# Altium PCB Main.PcbDoc
Units mil, origin at the board's own origin, x right, y up, seen from the top; angles counter-clockwise.
Board outline 1037 x 1530 mil, 2 copper layers (Top Layer, Bottom Layer); 27 components, 49 nets, 156 pads, 37 vias.
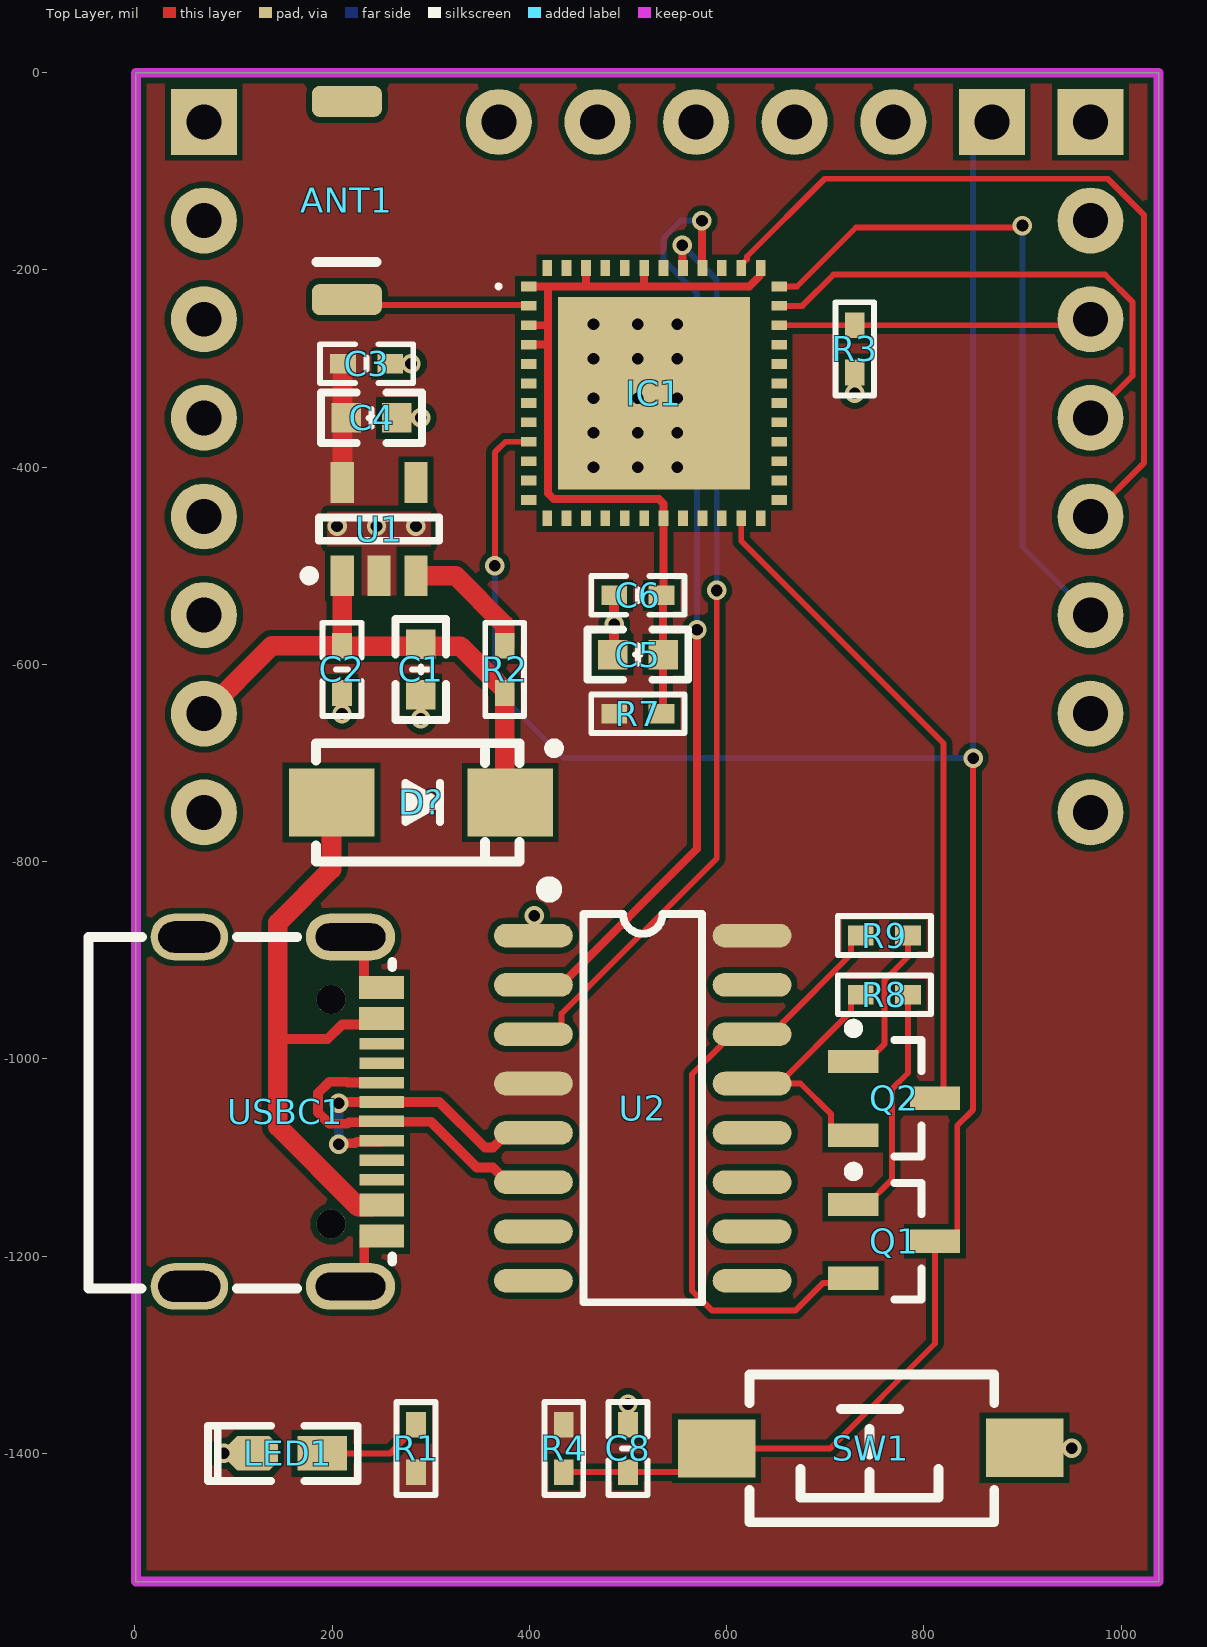
[diagram p0: Top Layer view]
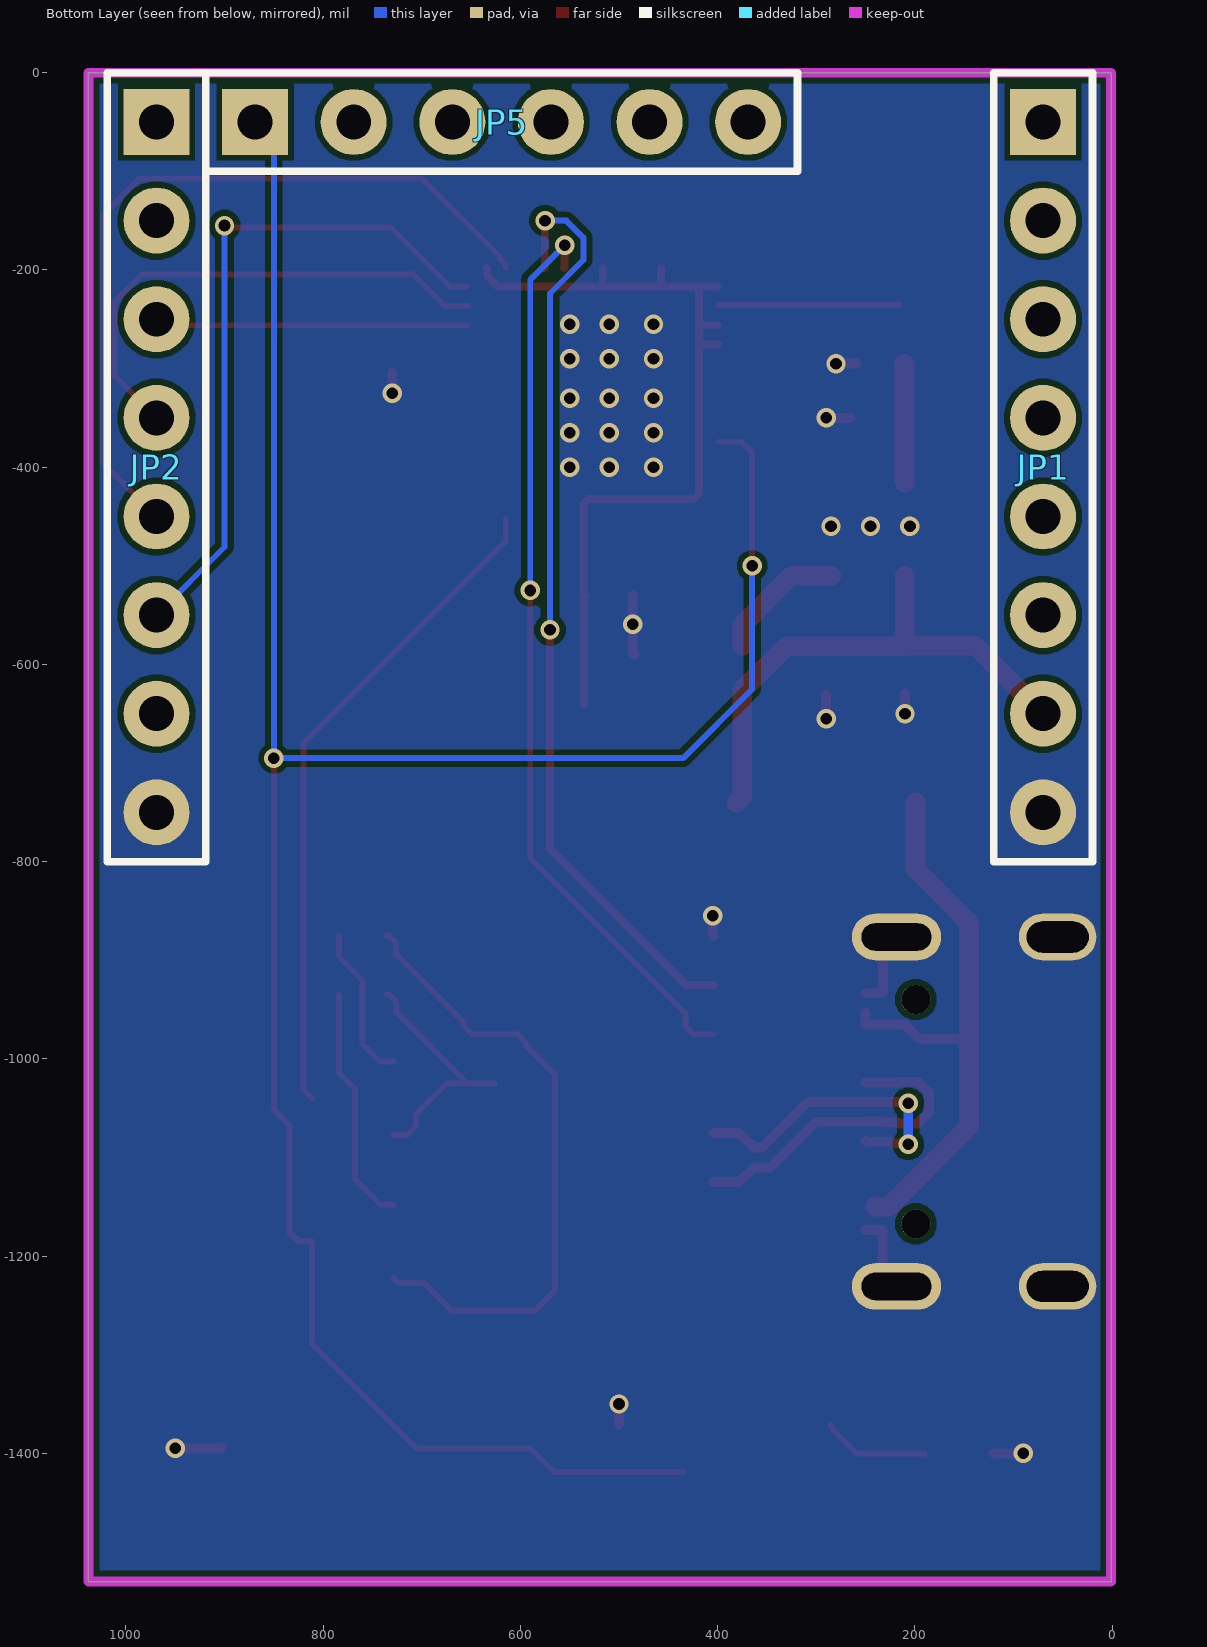
[diagram p1: Bottom Layer view, seen from below]

## Layer stack, top to bottom
Top Solder: solder mask 0.4, Solder Resist, Dk 3.5
Top Layer: signal copper 1.4
Dielectric 1: dielectric 12.6, FR-4, Dk 4.8
Bottom Layer: signal copper 1.4
Bottom Solder: solder mask 0.4, Solder Resist, Dk 3.5

## Board outline
1,-1530 1,0 175,0 1038,0 1038,-1530

## Design rules (kind name [scope] priority, off if disabled: settings)
Clearance [All] p1: gap=6 ignorepadtopadclearanceinfootprint=TRUE
DiffPairsRouting [All] p1: maxlimit=10 minlimit=6 mostfreqgap=10 toplayer_minwidth=6 toplayer_maxwidth=15 toplayer_prefwidth=8 bottomlayer_minwidth=6 bottomlayer_maxwidth=15 bottomlayer_prefwidth=8 maxuncoupledlength=500
PlaneConnect [All] p1: planeconnectstyle=Direct reliefexpansion=20 reliefentries=4 reliefconductorwidth=10 reliefairgap=10
PolygonConnect [All] p1: connectstyle=Direct reliefconductorwidth=10 reliefentries=4 polygonreliefangle="90 Angle" airgapwidth=10
RoomDefinition Main [InComponentClass('Main')] p1: confinementstyle=ConfineIn formatcopy=TRUE lockcomponents=FALSE outline -6094,-4130 -4094,-4130 -4094,-3130 -6094,-3130
RoutingVias [All] p1: holewidth=11.81 width=19.68 viastyle="Through Hole" minholewidth=11.81 minwidth=19.68 maxholewidth=11.81 maxwidth=19.68
SolderMaskExpansion [All] p1: expansion=4 istentingtop=FALSE
Width [All] p1: maxlimit=20 minlimit=6 preferedwidth=6
28 further rules are at their usual default settings.

## Classes and differential pairs
differential pair USB_D: +USB_D_P -USB_D_N

## Components (designator, comment, footprint, x,y, rotation, side; value= is the part's Value field where it differs from the comment)
ANT1 "ANT_CERAMICS" ANT-Rainsun-AN5120 215,-130 r90 top
C1 "10uF" C0603_L 290,-605 r270 top
C2 "100nF" C0402_M 210,-605 r270 top
C3 "100nF" C0402_M 235,-295 r0 top
C4 "10uF" C0603_L 240,-350 r0 top
C5 "10uF" C0603_L 510,-590 r0 top
C6 "100nF" C0402_M 510,-530 r0 top
C8 "100nF" C0402_M 500,-1395 r90 top
D? "SS14" SMA 290,-740 r0 top
IC1 "ESP32-PICO-V3/D4" ESP32PICOV3 526.29,-325 r0 top
JP1 "HDR-1X8" HDR2.54-LI-8P 70,-400 r270 bottom
JP2 "HDR-1X8" HDR2.54-LI-8P 969,-400 r270 bottom
JP5 "HDR-1X6" HDR2.54-LI-6P 619,-50 r180 bottom
LED1 "红色" LED0603_R 155,-1399.74 r180 top
Q1 "SS8050" SOT23-3N 770,-1185 r0 top
Q2 "SS8050" SOT23-3N 770,-1040 r0 top
R1 "330R" R0402_M 285,-1395 r90 top
R2 "100K" R0402_M 375,-605 r90 top
R3 "100K" R0402_M 730,-280 r270 top
R4 "100K" R0402_M 435,-1395 r270 top
R7 "330R" R0402_M 510,-650 r0 top
R8 "10K" R0402_M 760,-935 r180 top
R9 "10K" R0402_M 760,-875 r180 top
SW1 "3x6x5" "SW SMD-3*6*2.5" 745,-1395 r180 top
U1 "RT9080-3.3" SOT-23-5 247.6,-462.76 r90 top
U2 "CH340C" SOIC-16 515,-1050 r0 top
USBC1 "TYPE-C 2.0 -16P" USB-C-SMD_16P 152.73,-1053.58 r90 top

## Footprints (in the part's own frame and the unit in brackets; to place one, negate y for a bottom-side part, rotate by r counter-clockwise, add the part's x,y. Pads: shape width x height; smd on the part's side, far side on the other; paste and mask are expansions set on the pad)
ANT-Rainsun-AN5120 [mm] "选择焊盘"
  rrect50% 0.8x1.8 smd: 1(-2.54,0) ""(2.563,0)
  silkscreen extent -1.57,-0.76 -1.57,0.79, body extent -2.57,-0.91 2.54,0.94, height 1.32
C0402_M [mil] "贴片MLCC电容"
  rect 26x20 smd: 1(-24,0) 2(24,0)
  silkscreen extent -47,-20 47,20, body extent -20,-10 20,10, height 21
C0603_L [mil] "贴片MLCC电容"
  rect 30x30 smd: 1(-25.59,0) 2(25.59,0)
  silkscreen extent -51,-26 51,26, body extent -31,-16 32,16, height 33
ESP32PICOV3 [mm]
  rect 0.4x0.25 smd: 1(-3.225,2.75) 2(-3.225,2.25) 3(-3.225,1.75) 4(-3.225,1.25) 5(-3.225,0.75) 6(-3.225,0.25) 7(-3.225,-0.25) 8(-3.225,-0.75) 9(-3.225,-1.25) 10(-3.225,-1.75) 11(-3.225,-2.25) 12(-3.225,-2.75) 25(3.225,-2.75) 26(3.225,-2.25) 27(3.225,-1.75) 28(3.225,-1.25) 29(3.225,-0.75) 30(3.225,-0.25) 31(3.225,0.25) 32(3.225,0.75) 33(3.225,1.25) 34(3.225,1.75) 35(3.225,2.25) 36(3.225,2.75)
  rect 0.25x0.4 smd: 13(-2.75,-3.225) 14(-2.25,-3.225) 15(-1.75,-3.225) 16(-1.25,-3.225) 17(-0.75,-3.225) 18(-0.25,-3.225) 19(0.25,-3.225) 20(0.75,-3.225) 21(1.25,-3.225) 22(1.75,-3.225) 23(2.25,-3.225) 24(2.75,-3.225) 37(2.75,3.225) 38(2.25,3.225) 39(1.75,3.225) 40(1.25,3.225) 41(0.75,3.225) 42(0.25,3.225) 43(-0.25,3.225) 44(-0.75,3.225) 45(-1.25,3.225) 46(-1.75,3.225) 47(-2.25,3.225) 48(-2.75,3.225)
  rect 4.95x4.95 smd: 49(0,0)
  silkscreen extent -4.05,2.7 -3.95,2.8, body extent -3.5,-3.5 3.5,3.5, height 0.94
HDR2.54-LI-6P [mm] "排针，6脚                        联系卖家 免费查找封装"
  rect 1.7x1.7 hole 0.9: 1(-6.35,0)
  round 1.7 hole 0.9: 2(-3.81,0) 3(-1.27,0) 4(1.27,0) 5(3.81,0) 6(6.35,0)
  silkscreen extent -7.62,-1.27 7.62,1.27, body extent -7.62,-1.27 7.62,1.27, height 2.54
HDR2.54-LI-8P [mm] "排针，8脚"
  rect 1.7x1.7 hole 0.9: 1(-8.89,0)
  round 1.7 hole 0.9: 2(-6.35,0) 3(-3.81,0) 4(-1.27,0) 5(1.27,0) 6(3.81,0) 7(6.35,0) 8(8.89,0)
  silkscreen extent -10.16,-1.27 10.16,1.27, body extent -10.16,-1.27 10.16,1.27, height 2.54
LED0603_R [mil] "红色0603LED"
  rect 50x35 smd: 1(-35,0.26)
  oct 50x35 smd: 2(35,0.26)
  silkscreen extent -71,-28 81,28, body extent -32,-16 31,16, height 18
R0402_M [mil] "1/16W贴片电阻"
  rect 26x20 smd: 1(-24,0) 2(24,0)
  silkscreen extent -47,-20 47,20, body extent -20,-10 20,10, height 12
SMA [mm] "4.5x2.6*2.2mm（长宽高，不包括引脚）联系卖家 免费查找封装"
  rect 2.2x1.75 smd: 1(-2.3,0) 2(2.3,0)
  silkscreen extent -2.7,-1.52 3.56,1.52, body extent -2.55,-1.3 2.55,1.3, height 2.15
SOIC-16 [mil]
  oval 80x24 smd: 1(-110.95,175) 2(-110.95,125) 3(-110.95,75) 4(-110.95,25) 5(-110.95,-25) 6(-110.95,-75) 7(-110.95,-125) 8(-110.95,-175) 9(110.95,-175) 10(110.95,-125) 11(110.95,-75) 12(110.95,-25) 13(110.95,25) 14(110.95,75) 15(110.95,125) 16(110.95,175)
  silkscreen extent -99,-197 60,226, body extent -118,-197 118,197, height 75
SOT23-3N [mm] "SOT23, 3-Leads, Body 2.9x1.3mm, Pitch 0.95mm, Lead Span 2.4mm, IPC Medium Density"
  rect 1.3x0.6 smd: 1(-1.05,0.95) 2(-1.05,-0.95) 3(1.05,0)
  silkscreen extent -1.17,-1.5 0.7,1.92, body extent -1.2,-1.5 1.2,1.5, height 1.05
SOT-23-5 [mm] "SOT23, 5-Leads, Body 2.9x1.6mm, Pitch 0.95mm, IPC Medium Density"
  rect 1.05x0.6 smd: 1(-1.2,0.95) 2(-1.2,0) 3(-1.2,-0.95) 4(1.2,-0.95) 5(1.2,0.95)
  silkscreen extent -1.32,-1.55 0.3,1.92, body extent -1.4,-1.5 1.4,1.5, height 1.15
"SW SMD-3*6*2.5" [mm] "3*6*2.5mm"
  rect 2x1.5 smd: 1(-3.996,-0.02) 2(3.937,0)
  silkscreen extent -3.21,-1.9 3.09,1.9, body extent -4,-1.75 4,1.75, height 2.59
USB-C-SMD_16P [mm] "封装库来自淘宝ID:黄晶宝石"
  oval 1.2x2.3 hole 0.7 slot 1.8 at 90 deg: 0(-4.5,-1.675) 0(4.5,-1.675)
  oval 1.2x2 hole 0.8 slot 1.6 at 90 deg: 0(-4.5,2.475) 0(4.5,2.475)
  rect 0.3x1.15 smd: A1(3.35,-2.473) A4(2.55,-2.471) A5(1.25,-2.475) A6(0.25,-2.475) A7(-0.25,-2.473) A9(-2.55,-2.475) A12(-3.35,-2.475) B1(-3.05,-2.475) B4(-2.25,-2.475) B5(-1.75,-2.475) B6(-0.75,-2.475) B7(0.75,-2.473) B9(2.25,-2.471) B12(3.05,-2.473)
  rect 0.3x1.148 smd: A8(1.75,-2.475) B8(-1.25,-2.475)
  round 0.75 hole 0.75 unplated: ""(-2.89,-1.175) ""(2.89,-1.175)
  silkscreen extent -4.56,-2.75 4.5,5.08, body extent -4.45,-2.87 4.49,5.03, height 3.25

## Part data
ANT1: "PCB板载天线", BOM名称=PCB板载天线, 联系卖家，免费技术支持=唯一出售店铺网址https://shop463601444.taobao.com
C1 C2 C3 C4 C5 C6 C8: library part C, "贴片电容/MLCC电容", BOM名称=无极性贴片电容, 联系卖家，免费查找封装=唯一出售店铺网址https://shop463601444.taobao.com
D?: "肖特基二极管", BOM名称=肖特基二极管, 以赠品形式获赠本封装库的买家，还可联系卖家免费指导AD软件使用=封装库来自淘宝卖家ID：黄晶宝石, 属性=40V/1A
IC1: library part ESP32-PICO-V3, "Integrated Circuit", Manufacturer_Name="Espressif Systems", Mouser Part Number=356-ESP32-PICO-V3, Datasheet Link=https://kr.mouser.com/datasheet/2/891/esp32-pico-v3_datasheet_en-1842685.pdf, Height=1.04mm, Manufacturer_Part_Number=ESP32-PICO-V3, Mouser Price/Stock=https://www.mouser.co.uk/ProductDetail/Espressif-Systems/ESP32-PICO-V3?qs=GBLSl2Akirs311o8knsnZA%3D%3D
JP1 JP2: library part "Header 8", "8P接插件", BOM名称=8P接插件, 封装库来自淘宝卖家ID:黄晶宝石=其他店铺购入均为盗版假冒封装库，请立即申请退款，本店现金奖励20~200元, 联系卖家，免费查找封装=唯一出售店铺网址https://shop463601444.taobao.com
JP5: library part "Header 6", "6P接插件", BOM名称=6P接插件, 封装库来自淘宝卖家ID:黄晶宝石=其他店铺购入均为盗版假冒封装库，请立即申请退款，本店现金奖励20~200元, 联系卖家，免费查找封装=唯一出售店铺网址https://shop463601444.taobao.com
LED1: library part LED-SMD, "贴片LED", BOM名称=贴片LED, 封装库来自淘宝卖家ID：黄晶宝石=其他店铺购入均为盗版封装库，请立即申请退款，本店现金奖励20~200元
Q1 Q2: library part 8050-SMD, "高频放大-NPN型", BOM名称=高频放大-NPN型, 学习资源=www.ooocke.com, 属性="40V 1.5A 1W 100MHZ", 版权归属=源创客
R1 R2 R3 R4 R7 R8 R9: library part R, "贴片电阻", BOM名称=贴片电阻, 联系卖家，免费查找封装=唯一出售店铺网址https://shop463601444.taobao.com
SW1: library part "SW 3x6", "3x6轻触开关", BOM名称=3x6轻触开关, 封装库来自淘宝卖家ID：黄晶宝石=其他店铺购入的，请立即申请退款，本店现金奖励20~500元, 联系卖家，免费查找封装=唯一出售店铺网址https://shop463601444.taobao.com
U1: library part RT9193-18GB, "LDO 1.8V/0.3A", BOM名称=RT9193-18GB, 封装库来自淘宝卖家ID：黄晶宝石=其他店铺购入的买家，请立即申请退款，本店现金奖励20~1000元, 芯片厂商=RICHTEK
USBC1: library part USB2.0_Type-C_16Pin, "USB2.0_Type-C_16Pin母座", 联系卖家 免费技术支持=封装库来自淘宝卖家ID：黄晶宝石
U2: 联系卖家，免费技术支持=唯一出售店铺网址https://shop463601444.taobao.com

## Via types
v1: diameter 19.68, hole 11.81, Top Layer to Bottom Layer, 37 vias

## Nets (pads, with @x,y where several pads share a name; then routed paths per layer and width w, separated by ;. In a path a pad name is that pad's centre, name@x,y a point inside that pad or via, vN(x,y) a via of type N, cw(c..) or ccw(c..) an arc to the next point about the centre after c; other vN are vias at no path point)
3V3: C3.1 C4.1 R1.1 R4.1 R7.1 U1.5 U2.4 U2.16 | length 121.1
  Top Layer w20: U1.5 210.6,-415.11 210.6,-295 C3.1
A3V3: C5.2 C6.2 IC1.1 IC1.3 IC1.4 IC1.19 IC1.37 IC1.43 IC1.46 R7.2 | length 862.1
  Top Layer w8: IC1.4 418.06,-275.79 418.85,-275 ; IC1.3 417.74,-256.1 418.85,-255 ; IC1.1 418.85,-216.73 ; IC1.46 457.39,-214.12 460,-216.73 ; IC1.43 516.44,-215.29 515,-216.73 ; R7.2@535.59,-640 C5.2 535.59,-531.59 C6.2 536.13,-527.87 IC1.19 536.13,-437.13 531.44,-432.44 424.7,-432.44 418.85,-426.58 418.85,-275 ; IC1.37 633.63,-198.95 633.63,-206.2 623.11,-216.73 515,-216.73 ; 418.85,-275 418.85,-255 ; 418.85,-255 418.85,-216.73 ; 418.85,-216.73 460,-216.73 ; 460,-216.73 515,-216.73
CH_RX: IC1.41 U2.3 | length 926.8
  Top Layer w6: U2.3 424.43,-975 432.75,-966.69 432.75,-954 590,-796.75 v1(590,-525)
  Top Layer w8: v1(555,-175) 555.41,-175.41 555.41,-197.62 IC1.41
  Bottom Layer w6: v1(555,-175) 590,-210 v1(590,-525)
CH_TX: IC1.40 U2.2 | length 951.2
  Top Layer w8: U2.2 432.05,-925 570,-787.05 v1(570,-565) ; v1(575,-150) 575.25,-150.25 575.25,-197.78 IC1.40
  Bottom Layer w6: v1(570,-565) 570,-223.84 536.16,-190 536.16,-167.2 553.35,-150 v1(575,-150)
DTR: Q2.2 R8.2 U2.13 | length 257.7
  Top Layer w6: U2.13 U2.13@653.3,-1025 ; Q2.2 714.88,-1077.4 706.07,-1068.59 706.07,-1056.12 674.95,-1025 U2.13@653.3,-1025 ; R8.2 733,-935 726,-942 726,-952.3 U2.13@653.3,-1025
EN: C8.1 IC1.9 JP5.1 Q1.3 R4.2 SW1.2 | length 2493.7
  Top Layer w6: v1(365,-500) 365,-385 375.79,-374.21 IC1.9 ; R4.2 566,-1419 SW1.2 705,-1395 811.34,-1288.66 Q1.3 825.12,-1185 833.93,-1176.19 833.93,-1067.54 850,-1051.47 v1(850,-695)
  Bottom Layer w6: v1(365,-500) 365,-625 435,-695 v1(850,-695) 850,-69 JP5.1
FLASH_CLK: IC1.31
FLASH_CS: IC1.25
FLASH_SD0: IC1.27
FLASH_SD1: IC1.33
FLASH_SD2: IC1.30
FLASH_SD3: IC1.32
GND: C1.2 C2.2 C3.2 C4.2 C5.1 C6.1 C8.2 IC1.49 JP1.8 JP2.8 LED1.2 R3.2 SW1.1 U1.2 U2.1 USBC1.0 USBC1.A1 USBC1.A12 USBC1.B1 USBC1.B12 | length 451.7
  Top Layer w10: v1(90,-1400) LED1.2 ; v1(210,-650) C2.2 ; USBC1.0@218.66,-1230.75 232.52,-1216.89 232.52,-1174.57 233.43,-1173.66 USBC1.B1 ; USBC1.0@218.66,-876.42 232.46,-890.22 232.46,-932.59 233.37,-933.5 USBC1.B12 ; C3.2 v1(280,-295) ; C4.2 v1(290,-350) ; v1(290,-655) C1.2 ; U2.1 405,-874.05 v1(405,-855) ; C5.1 486,-588.41 C6.1 ; C8.2 v1(500,-1350) ; v1(730,-325) R3.2 ; SW1.1 903.1,-1395 v1(950,-1395)
  other v1: 486,-559.2 205,-460 245,-460 285,-460 465,-400 510,-400 550,-400 465,-365 510,-365 550,-365 465,-330 510,-330 550,-330 465,-290 510,-290 550,-290 465,-255 510,-255 550,-255
GPIO0: IC1.23 Q2.3 | length 676.6
  Top Layer w6: IC1.23 614.87,-474.87 820,-680 820,-1031.34 Q2.3
GPIO2: IC1.22
GPIO4: IC1.24
GPIO5/SPI1_SS: IC1.34 JP2.3 R3.1 | length 318.3
  Top Layer w6: IC1.34 962.9,-256.1 JP2.3
GPIO9: IC1.28
GPIO10: IC1.29
GPIO12: IC1.18
GPIO13: IC1.20
GPIO14: IC1.17
GPIO15: IC1.21
GPIO18/SPI1_SCK: IC1.35 JP2.4 | length 518
  Top Layer w6: IC1.35 676.88,-236.42 708.6,-204.71 983.76,-204.71 1011.46,-232.41 1011.46,-307.54 JP2.4
GPIO19/SPI1_MISO: IC1.38 JP2.5 | length 792.9
  Top Layer w6: IC1.38 614.87,-195.08 620.63,-189.32 620.63,-186.43 699.53,-107.54 986.59,-107.54 1023.46,-144.41 1023.46,-395.54 JP2.5
GPIO21: IC1.42
GPIO22: IC1.39
GPIO23/SPI1_MOSI: IC1.36 JP2.6 | length 695.9
  Top Layer w6: IC1.36 671.35,-216.73 731.16,-156.92 898.08,-156.92 v1(900,-155)
  Bottom Layer w6: v1(900,-155) 900,-481 JP2.6
GPIO25: IC1.14
GPIO26: IC1.15
GPIO27: IC1.16
GPIO32: IC1.12
GPIO33: IC1.13
GPIO34: IC1.10
GPIO35: IC1.11
GPIO37: IC1.6
GPIO38: IC1.7
NetANT1_1: ANT1.1 IC1.2 | length 184.9
  Top Layer w6: ANT1.1@215,-235 215.71,-235.71 398.61,-235.71 IC1.2
NetLED1_1: LED1.1 R1.2 | length 108.8
  Top Layer w6: LED1.1 259,-1400 285,-1374 R1.2
NetQ1_1: Q1.1 R8.1 | length 243.6
  Top Layer w6: Q1.1 742.44,-1147.6 767.63,-1122.41 767.63,-1030.75 784,-1014.38 R8.1
NetQ2_1: Q2.1 R9.1 | length 158.6
  Top Layer w6: Q2.1 742.44,-1002.6 760,-985.04 760,-920.44 784,-896.44 R9.1
NetR2_2: R2.2 U1.3 | length 131.7
  Top Layer w20: U1.3 325,-510 375,-560 R2.2
RTS: Q1.2 R9.2 U2.14 | length 645.1
  Top Layer w6: Q1.2 723.65,-1227.41 697.59,-1227.41 670,-1255 585,-1255 565,-1235 565,-1015.57 594.5,-986.06 594.5,-983.31 602.82,-975 649.08,-975 657.39,-966.69 657.39,-962.78 726,-894.17 726,-882 733,-875 R9.2
SENSOR_VN: IC1.8
SENSOR_VP: IC1.5
USB_D_N: U2.6 USBC1.A7 USBC1.B7 | length 338.5
  Top Layer w10: USBC1.B7 216.04,-1024.05 215.13,-1023.14 197.37,-1023.14 185.84,-1034.67 185.84,-1054.31 197.37,-1065.84 215.32,-1065.84 216.83,-1064.33 232.46,-1064.33 233.36,-1063.43 USBC1.A7 250.41,-1063.74 300.36,-1063.74 346.62,-1110 363.19,-1110 378.19,-1125 U2.6
USB_D_P: U2.5 USBC1.A6 USBC1.B6 | length 311.5
  Top Layer w10: v1(206.69,-1086.68) 207.84,-1085.53 223.47,-1085.53 224.98,-1084.02 249.25,-1084.02 USBC1.B6 ; v1(206.69,-1045) 207.94,-1043.74 USBC1.A6 308.65,-1043.74 354.91,-1090 363.19,-1090 378.19,-1075 U2.5
  Bottom Layer w10: v1@206.69,-1088.32 v1(206.69,-1086.68) v1(206.69,-1045)
V_BUS: C1.1 C2.1 D?.2 JP1.7 R2.1 U1.1 | length 540
  Top Layer w20: JP1.7 139,-581 C2.1 ; U1.1 210.2,-577.8 210,-578 C2.1 ; D?.2 375,-734.45 R2.1 375,-626 359,-610 358.37,-610 330,-581.63 210,-581.63 C2.1
VUSB: D?.1 USBC1.A4 USBC1.A9 USBC1.B4 USBC1.B9 | length 602.8
  Top Layer w10: 145,-980 195.22,-980 210.22,-965 USBC1.B9 USBC1.A4
  Top Layer w20: D?.1 199.45,-807.61 145,-862.05 145,-980 145,-1068.49 226.51,-1150 USBC1.A9@240,-1150
pads on no net: ANT1. IC1.26 IC1.44 IC1.45 IC1.47 IC1.48 JP1.1 JP1.2 JP1.3 JP1.4 JP1.5 JP1.6 JP2.1 JP2.2 JP2.7 JP5.2 JP5.3 JP5.4 JP5.5 JP5.6 U1.4 U2.7 U2.8 U2.9 U2.10 U2.11 U2.12 U2.15 USBC1. USBC1.A5 USBC1.A8 USBC1.B5 USBC1.B8

## Polygon pours and split planes (outlines as drawn)
GND on Top Layer "VC" (solid, pour order 0): 195,-445 300,-445 300,-480 265,-480 265,-530 230,-530 230,-480 195,-480
3V3 on Top Layer "VC" (solid, remove dead copper, pour order 2): -80,65 1130,65 1130,-1570 -85.17,-1570
GND on Bottom Layer "VC" (solid, remove dead copper, pour order 4): -70,70 1160,70 1160,-1705 -75,-1705

## Keep-outs
Keep-Out Layer:
  the board outline again, w10

## Silkscreen, mask and mechanical layers (free items; w line width, h text height)
Mechanical 1:
  the board outline again, w10